# Altium PCB gd.PcbDoc (continued)
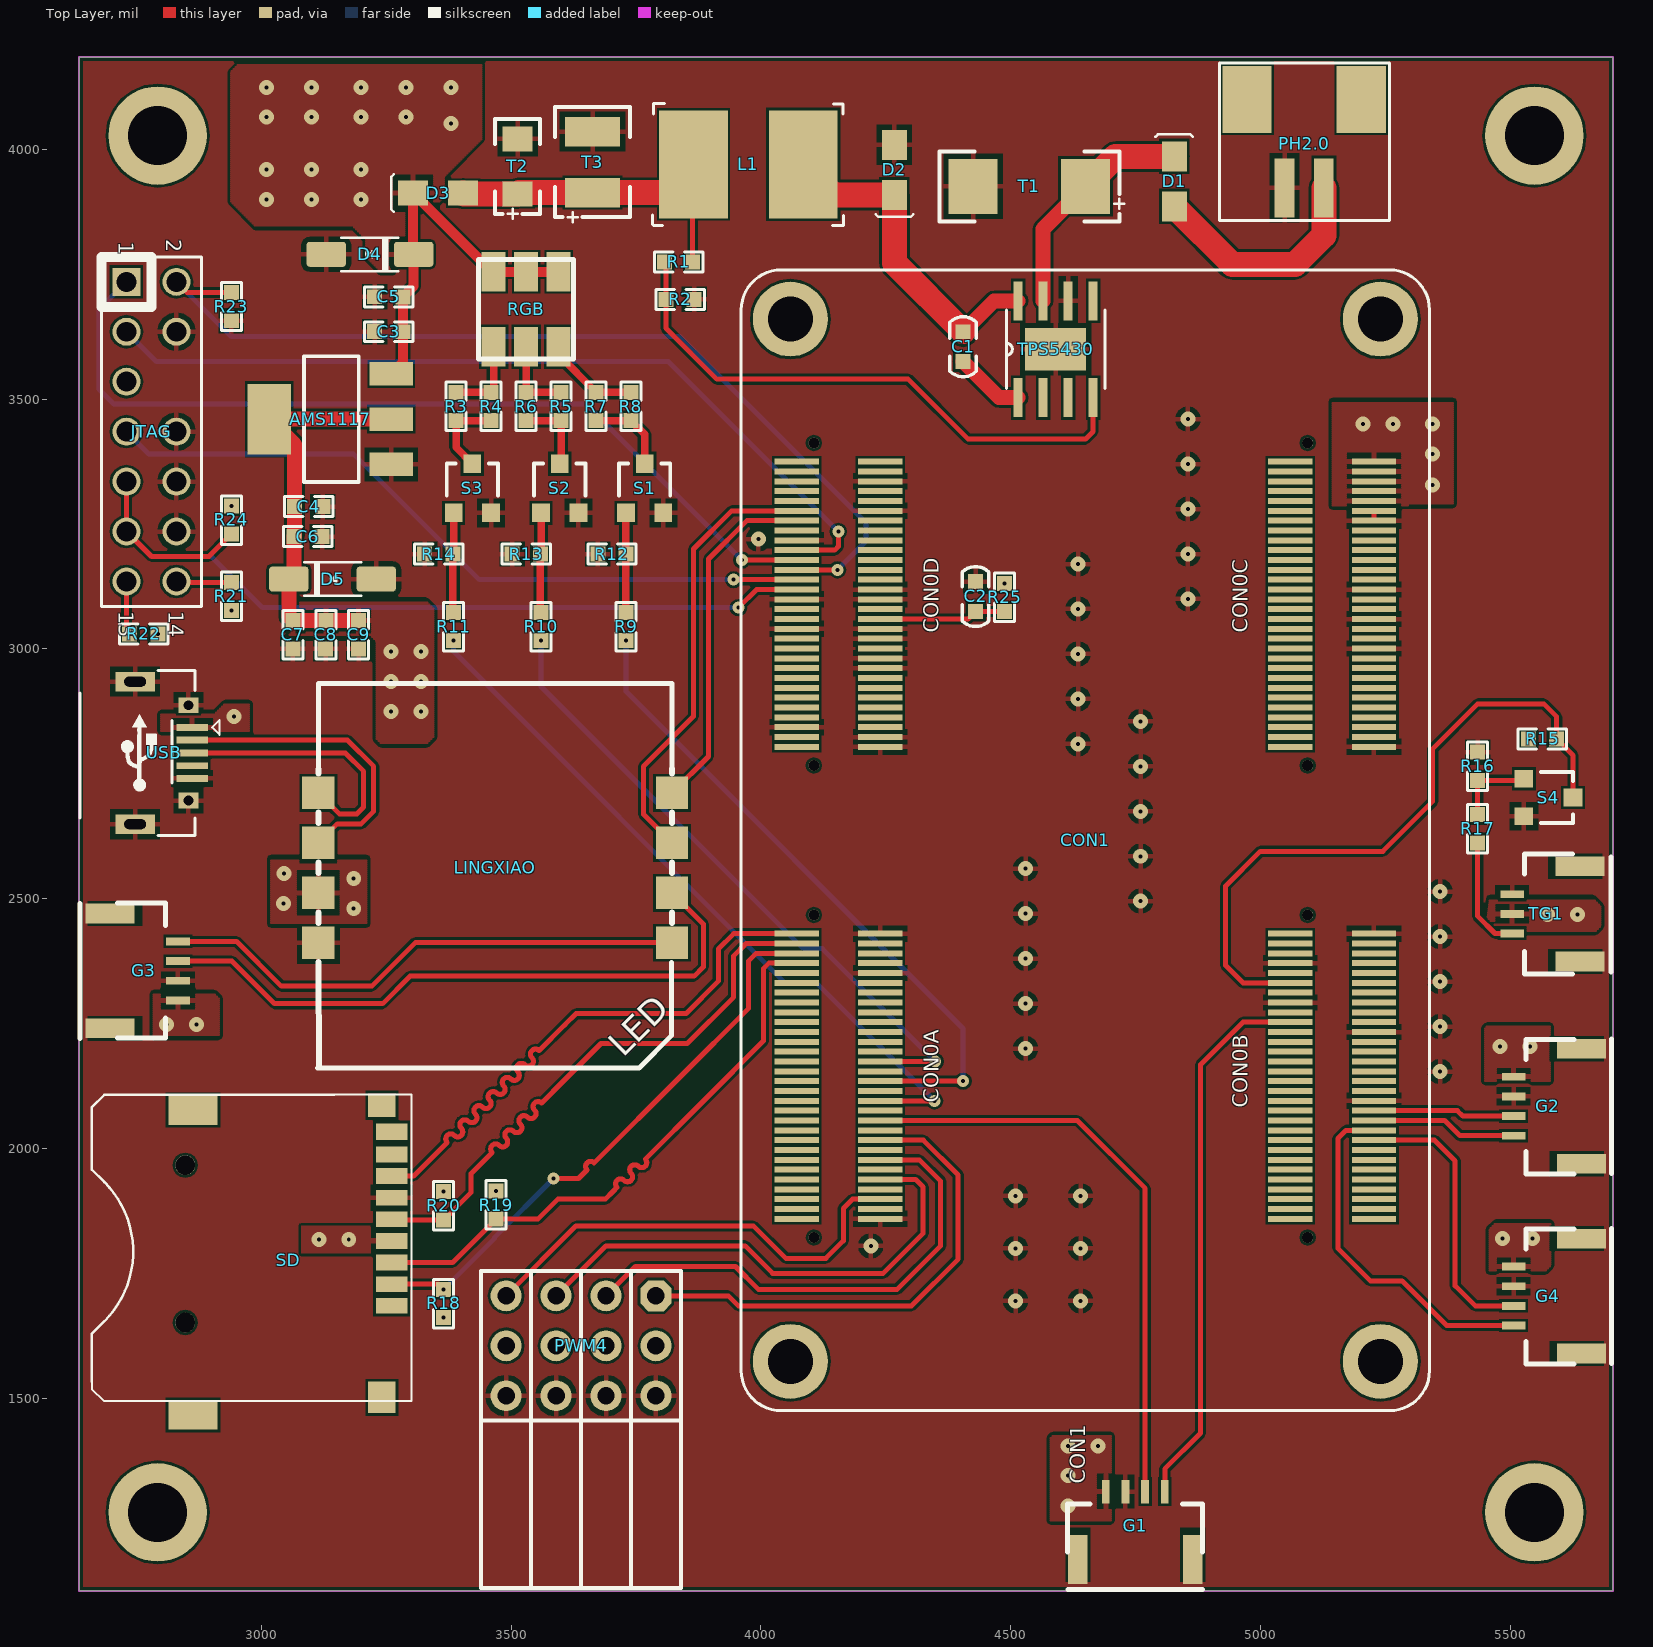
[diagram p0: Top Layer view]
## Footprints (in the part's own frame and the unit in brackets; to place one, negate y for a bottom-side part, rotate by r counter-clockwise, add the part's x,y. Pads: shape width x height; smd on the part's side, far side on the other; paste and mask are expansions set on the pad)
B2B_0D50_60P_28377 [mm] "B2B_0D50_60P_28377"
  rect 0.3x2.25 smd: A1(-19.262,14.726) A2(-19.262,10.477) A3(-18.762,14.726) A4(-18.762,10.477) A5(-18.262,14.726) A6(-18.262,10.477) A7(-17.762,14.726) A8(-17.762,10.477) A9(-17.262,14.726) A10(-17.262,10.477) A11(-16.762,14.726) A12(-16.762,10.477) A13(-16.262,14.726) A14(-16.262,10.477) A15(-15.762,14.726) A16(-15.762,10.477) A17(-15.262,14.726) A18(-15.262,10.477) A19(-14.762,14.726) A20(-14.762,10.477) A21(-14.262,14.726) A22(-14.262,10.477) A23(-13.762,14.726) A24(-13.762,10.477) A25(-13.262,14.726) A26(-13.262,10.477) A27(-12.762,14.726) A28(-12.762,10.477) A29(-12.262,14.726) A30(-12.262,10.477) A31(-11.762,14.726) A32(-11.762,10.477) A33(-11.262,14.726) A34(-11.262,10.477) A35(-10.762,14.726) A36(-10.762,10.477) A37(-10.262,14.726) A38(-10.262,10.477) A39(-9.762,14.726) A40(-9.762,10.477) A41(-9.262,14.726) A42(-9.262,10.477) A43(-8.762,14.726) A44(-8.762,10.477) A45(-8.262,14.726) A46(-8.262,10.477) A47(-7.762,14.726) A48(-7.762,10.477) A49(-7.262,14.726) A50(-7.262,10.477) A51(-6.762,14.726) A52(-6.762,10.477) A53(-6.262,14.726) A54(-6.262,10.477) A55(-5.762,14.726) A56(-5.762,10.477) A57(-5.262,14.726) A58(-5.262,10.477) A59(-4.762,14.726) A60(-4.762,10.477) B1(-19.262,-10.374) B2(-19.262,-14.623) B3(-18.762,-10.374) B4(-18.762,-14.623) B5(-18.262,-10.374) B6(-18.262,-14.623) B7(-17.762,-10.374) B8(-17.762,-14.623) B9(-17.262,-10.374) B10(-17.262,-14.623) B11(-16.762,-10.374) B12(-16.762,-14.623) B13(-16.262,-10.374) B14(-16.262,-14.623) B15(-15.762,-10.374) B16(-15.762,-14.623) B17(-15.262,-10.374) B18(-15.262,-14.623) B19(-14.762,-10.374) B20(-14.762,-14.623) B21(-14.262,-10.374) B22(-14.262,-14.623) B23(-13.762,-10.374) B24(-13.762,-14.623) B25(-13.262,-10.374) B26(-13.262,-14.623) B27(-12.762,-10.374) B28(-12.762,-14.623) B29(-12.262,-10.374) B30(-12.262,-14.623) B31(-11.762,-10.374) B32(-11.762,-14.623) B33(-11.262,-10.374) B34(-11.262,-14.623) B35(-10.762,-10.374) B36(-10.762,-14.623) B37(-10.262,-10.374) B38(-10.262,-14.623) B39(-9.762,-10.374) B40(-9.762,-14.623) B41(-9.262,-10.374) B42(-9.262,-14.623) B43(-8.762,-10.374) B44(-8.762,-14.623) B45(-8.262,-10.374) B46(-8.262,-14.623) B47(-7.762,-10.374) B48(-7.762,-14.623) B49(-7.262,-10.374) B50(-7.262,-14.623) B51(-6.762,-10.374) B52(-6.762,-14.623) B53(-6.262,-10.374) B54(-6.262,-14.623) B55(-5.762,-10.374) B56(-5.762,-14.623) B57(-5.262,-10.374) B58(-5.262,-14.623) B59(-4.762,-10.374) B60(-4.762,-14.623) C1(19.238,-10.374) C2(19.238,-14.623) C3(18.738,-10.374) C4(18.738,-14.623) C5(18.238,-10.374) C6(18.238,-14.623) C7(17.738,-10.374) C8(17.738,-14.623) C9(17.238,-10.374) C10(17.238,-14.623) C11(16.738,-10.374) C12(16.738,-14.623) C13(16.238,-10.374) C14(16.238,-14.623) C15(15.738,-10.374) C16(15.738,-14.623) C17(15.238,-10.374) C18(15.238,-14.623) C19(14.738,-10.374) C20(14.738,-14.623) C21(14.238,-10.374) C22(14.238,-14.623) C23(13.738,-10.374) C24(13.738,-14.623) C25(13.238,-10.374) C26(13.238,-14.623) C27(12.738,-10.374) C28(12.738,-14.623) C29(12.238,-10.374) C30(12.238,-14.623) C31(11.738,-10.374) C32(11.738,-14.623) C33(11.238,-10.374) C34(11.238,-14.623) C35(10.738,-10.374) C36(10.738,-14.623) C37(10.238,-10.374) C38(10.238,-14.623) C39(9.738,-10.374) C40(9.738,-14.623) C41(9.238,-10.374) C42(9.238,-14.623) C43(8.738,-10.374) C44(8.738,-14.623) C45(8.238,-10.374) C46(8.238,-14.623) C47(7.738,-10.374) C48(7.738,-14.623) C49(7.238,-10.374) C50(7.238,-14.623) C51(6.738,-10.374) C52(6.738,-14.623) C53(6.238,-10.374) C54(6.238,-14.623) C55(5.738,-10.374) C56(5.738,-14.623) C57(5.238,-10.374) C58(5.238,-14.623) C59(4.738,-10.374) C60(4.738,-14.623) D1(19.238,14.726) D2(19.238,10.477) D3(18.738,14.726) D4(18.738,10.477) D5(18.238,14.726) D6(18.238,10.477) D7(17.738,14.726) D8(17.738,10.477) D9(17.238,14.726) D10(17.238,10.477) D11(16.738,14.726) D12(16.738,10.477) D13(16.238,14.726) D14(16.238,10.477) D15(15.738,14.726) D16(15.738,10.477) D17(15.238,14.726) D18(15.238,10.477) D19(14.738,14.726) D20(14.738,10.477) D21(14.238,14.726) D22(14.238,10.477) D23(13.738,14.726) D24(13.738,10.477) D25(13.238,14.726) D26(13.238,10.477) D27(12.738,14.726) D28(12.738,10.477) D29(12.238,14.726) D30(12.238,10.477) D31(11.738,14.726) D32(11.738,10.477) D33(11.238,14.726) D34(11.238,10.477) D35(10.738,14.726) D36(10.738,10.477) D37(10.238,14.726) D38(10.238,10.477) D39(9.738,14.726) D40(9.738,10.477) D41(9.238,14.726) D42(9.238,10.477) D43(8.738,14.726) D44(8.738,10.477) D45(8.238,14.726) D46(8.238,10.477) D47(7.738,14.726) D48(7.738,10.477) D49(7.238,14.726) D50(7.238,10.477) D51(6.738,14.726) D52(6.738,10.477) D53(6.238,14.726) D54(6.238,10.477) D55(5.738,14.726) D56(5.738,10.477) D57(5.238,14.726) D58(5.238,10.477) D59(4.738,14.726) D60(4.738,10.477)
  round 3.81 / inner round 1.524 / far side round 3.81 hole 2.286: ""(-26.512,-14.949) ""(-26.512,15.051) ""(26.488,-14.949) ""(26.488,15.051)
  round 0.549 / inner round 1.524 / far side round 0.549 hole 0.549: ""(-20.212,-11.249) ""(-20.212,13.851) ""(-3.812,13.851) ""(-3.812,-11.249) ""(3.788,13.851) ""(3.788,-11.249) ""(20.188,-11.249) ""(20.188,13.851)
  silkscreen extent -29.01,-17.45 28.99,17.55
B340A [mil]
  round 20 on Mech14: 0(-2,0)
  rrect25% 78.74x50 smd: A(85,0) K(-90,0)
  silkscreen extent -59,-33 55,33, body extent -79,-35 75,35, height 46
C0603 [mil]
  rect 30x30 smd: 1(-30,0) 2(30,0)
  silkscreen extent -60,-27 60,27, body extent -31,-16 32,15, height 24
CON2X7PA_2-54MM-N6 [mil] "CON2X7PA_2-54MM-N6"
  rect 56x56 hole 40: 1(-296.5,-46.5)
  round 56 hole 40: 2(-296.5,53.5) 3(-196.5,-46.5) 4(-196.5,53.5) 5(-96.5,-46.5) 7(3.5,-46.5) 8(3.5,53.5) 9(103.5,-46.5) 10(103.5,53.5) 11(203.5,-46.5) 12(203.5,53.5) 13(303.5,-46.5) 14(303.5,53.5)
  silkscreen extent -346,-97 354,104
GH3P [mm]
  rect 1x2.5 smd: 0(-2.422,-0.917) 0(2.421,-0.917)
  rect 0.4x1.2 smd: 1(1,2.54) 2(0,2.54) 3(-1,2.54)
  silkscreen extent -3.06,-2.49 3.03,1.91
GH4P [mm]
  rect 0.4x1.2 smd: 1(-1.362,-2.365) 2(-0.362,-2.365) 3(0.638,-2.365) 4(1.638,-2.365)
  rect 1x2.5 smd: 5(-2.783,1.092) 5(3.059,1.092)
  silkscreen extent -3.29,-1.73 3.59,2.62, body extent -2.85,-2.54 3.15,2.42, height 3.14
IN5819 [mil]
  rect 50x60 smd: 1(2.28,-51) 2(2.28,49)
  silkscreen extent -35,-95 40,-90
L [mil]
  rect 216.54x137.8 smd: 1(-5,105) 2(-5,-115)
  silkscreen extent -127,-195 117,187, body extent -108,-116 96,108, height 177
LINGXIAO [mil]
  rect 65x65 smd: 1(-365.87,-143.13) 2(-365.87,-43.13) 3(-365.87,56.87) 4(-365.87,156.87) 5(342.13,156.87) 6(342.13,56.87) 7(342.13,-43.13) 8(342.13,-143.13)
  silkscreen extent -367,-394 342,376
PH2.0 [mm]
  rect 2.5x3.4 smd: 0(-2.84,-1.782) 0(2.96,-1.782)
  rect 1x3 smd: 1(1.06,2.718) 2(-0.94,2.718)
  silkscreen extent -4.27,-3.63 4.36,4.37
PWM4P [mil]
  oct 62x62 hole 35: 1(150,245)
  round 62 hole 35: 2(150,145) 3(150,45) 4(50,245) 5(50,145) 6(50,45) 7(-50,245) 8(-50,145) 9(-50,45) 10(-150,245) 11(-150,145) 12(-150,45)
  silkscreen extent -200,-340 200,295, body extent -201,-4 193,296, height 336
RGB [mm]
  rect 2x1.224 smd: 1(-1.905,1.651) 2(1.905,1.651) 3(-1.905,0) 4(1.905,0) 5(-1.905,-1.651) 6(1.905,-1.651)
  silkscreen extent -2.54,-2.41 2.54,2.41
sd [mm]
  rect 1.4x1.6 smd: 0(-6.256,8.587)
  rect 1.4x1.2 smd: 0(-6.256,-6.263)
  rect 2.5x1.5 smd: 0(3.344,9.487) 0(3.344,-6.013)
  round 1 hole 1: 0(3.744,4.787) 0(3.744,-3.213)
  rect 1.6x0.8 smd: 1(-6.756,3.937) 2(-6.756,2.837) 3(-6.756,1.737) 4(-6.756,0.637) 5(-6.756,-0.463) 6(-6.756,-1.563) 7(-6.756,-2.663) 8(-6.756,-3.763)
  rect 1.6x0.85 smd: 9(-6.756,-4.913)
  silkscreen extent -7.77,-6.8 8.49,8.77, body extent -7.48,-6.31 9.13,9.69, height 1.96
SI2310 [mm]
  rect 0.9x0.95 smd: 1(-1.016,-1.209) 2(0.884,-1.209) 3(-0.066,1.291)
  silkscreen extent -1.37,-0.33 1.23,1.29, body extent -1.49,-1.35 1.41,1.45, height 1.3
SOT-223 [mm]
  rect 1.2x2.2 smd: 1(0,0) 2(2.3,0) 3(4.6,0)
  rect 3.6x2.2 smd: 4(2.3,6.2)
  silkscreen extent -0.9,1.65 5.5,4.44, body extent -0.97,-0.31 5.53,6.66
T10UF [mil]
  rect 50x60 smd: 1(54,3) 2(-56,3)
  silkscreen extent -96,-42 104,48, body extent -76,-27 74,33, height 39
T47UF [mm]
  rect 2.8x1.5 smd: 1(-0.051,-1.562) 2(-0.051,1.538)
  silkscreen extent -1.96,-3.06 1.85,2.78
T100UF [mm]
  rect 2.8x2.5 smd: 1(0.023,-2.794) 2(0.023,2.921)
  silkscreen extent -1.75,-4.76 1.8,4.64
TPS5430 [mil]
  rect 18.14x78 smd: 1(-75,-97) 2(-25,-97) 3(25,-97) 4(75,-97) 5(75,97) 6(25,97) 7(-25,97) 8(-75,97)
  rect 122x85 smd paste-60.5: 9(0,0)
  silkscreen extent -98,-78 98,78, body extent -98,-122 98,122, height 67
USB [mm]
  rect 1.6x0.35 smd: 1(-2.579,-1.22) 2(-2.579,-0.57) 3(-2.579,0.08) 4(-2.579,0.73) 5(-2.579,1.38)
  rect 1x0.8 hole 0.5: 5(-2.389,2.505) 5(-2.389,-2.345)
  rect 2x1 hole 0.5 slot 1.1 at 0 deg: 5(0.321,3.705) 5(0.321,-3.545)
  silkscreen extent -3.98,-4.11 3.12,4.27, body extent -2.57,-3.92 3.03,4.08, height 2.8
X0603 [mil]
  rect 30x30 smd: 1(-28,0.06) 2(28.5,0)
  silkscreen extent -48,-20 49,20

## Part data
C1 C2: library part CAP, "cap"
C8 C9: library part C0.1UF
CON1: library part B2B_COMBINE_2, Color=Default, Manufacturer=连?, Power Pins Visible=False, Graphic=B2B_COMBINEA.Normal, Implementation Type=<none>, Location X-Coordinate=0, Location Y-Coordinate=0, Name=I16800166, Primitive=DEFAULT, Source Library=E:\TRONLONG\PRODUCT\TMS320F28377R\HARDWARE\A2\SOM\SCH\LIBRARY2.OLB, Source Package=B2B_COMBINE, Source Part=B2B_COMBINEA.Normal, SPLIT_INST=TRUE, SWAP_INFO=(S1+S2+S3+S4)
JTAG: library part JTAG-1
R1 R2 R3 R4 R5 R6 R7 R8 R9 R10 R11 R12 R13 R14 R15 R16 R17 R18 R19 R20 R21 R22 R23 R24 R25: library part R1K

## Free pads (board coordinates)
  round 196.85 / inner round 60 / far side round 150 hole 118.11: P7(2792.41,1271.54) P7(2792.41,4027.59) P7(5548.46,1271.54) P7(5548.46,4027.59)

## Via types
v1: diameter 30, hole 8, Top Layer to Bottom Layer, 87 vias
v2: diameter 24, hole 8, Top Layer to Bottom Layer, 13 vias

## Nets (pads, with @x,y where several pads share a name; then routed paths per layer and width w, separated by ;. In a path a pad name is that pad's centre, name@x,y a point inside that pad or via, vN(x,y) a via of type N, cw(c..) or ccw(c..) an arc to the next point about the centre after c; other vN are vias at no path point)
3.3V: AMS1117.2 AMS1117.4 C4.2 C6.2 C7.2 C8.2 C9.2 D5.K JTAG.5 R18.2 R19.2 R20.2 R21.1 R22.1 R24.1 R25.2 SD.4 | length 808.6
  Top Layer w30: C9.2 C8.2 C7.2 3055,3064.5 D5.K 3065,3150 C6.2 3066.5,3226.5 C4.2 3066.5,3409.4 AMS1117.4 AMS1117.2
  other v1: 3365,1661.5 3115,1817.5 3175,1817.5 3365,1913.5 3470,1915 3260,2875 3320,2875 3260,2935 3320,2935 3260,2995 3320,2995 2793,3029.94 2939.94,3077 4488,3131.5 2940.06,3286.5
5V: AMS1117.3 C3.2 C5.2 CON1.C2 CON1.C4 CON1.C6 CON1.C8 CON1.C10 D3.1 D4.K G1.4 G2.1 G3.1 G4.1 LINGXIAO.2 R15.2 RGB.1 RGB.3 RGB.5 TG1.2 USB.1 | length 737.5
  Top Layer w20: AMS1117.3 3283.5,3574.05 C3.2 C5.2 3305,3726.5 D4.K 3304,3791 D3.1 3461.72,3755 RGB.5 RGB.3 RGB.1
  other v1: 4615,1284 4615,1345 4615,1404 4675,1404 5485,1820 5545,1820 5480,2204 5540,2204 2810,2248 2870,2248 5575,2468 5635,2468 3185,2480 3044.56,2490 3185,2540 3045,2550 5536.5,2820 2945,2865 5345,3328 5345,3390 5205,3450 5265,3450 5345,3450 3010,3900 3100,3900 3200,3900 3010,3960 3100,3960 3200,3960 3380,4052 3010,4065 3100,4065 3200,4065 3290,4065 3010,4124 3100,4124 3200,4124 3290,4124 3380,4124
CLK: CON1.A57 R20.1 SD.5 | length 1191
  Top Layer w10: SD.5 3262.23,1857 R20.1 3420,1912.06 3420,1950 3455,1985 3462.07,1992.07 cw(c3469.14,1999.14) 3462.07,2006.21 cw(c3469.14,1999.14) 3476.21,2006.21 ccw(c3483.28,2013.28) 3490.36,2006.21 ccw(c3483.28,2013.28) 3490.36,2020.36 cw(c3497.43,2027.43) 3490.36,2034.5 cw(c3497.43,2027.43) 3504.5,2034.5 ccw(c3511.57,2041.57) 3518.64,2034.5 ccw(c3511.57,2041.57) 3518.64,2048.64 cw(c3525.71,2055.71) 3518.64,2062.78 cw(c3525.71,2055.71) 3532.78,2062.78 ccw(c3539.85,2069.85) 3546.92,2062.78 ccw(c3539.85,2069.85) 3546.92,2076.92 cw(c3553.99,2083.99) 3546.92,2091.07 cw(c3553.99,2083.99) 3561.07,2091.07 3605,2135 3680,2210 3852.48,2210 3945.5,2303.02 3945.5,2385.5 3970.32,2410.32 CON1.A57
DM: LINGXIAO.3 USB.2 | length 612.2
  Top Layer w10: USB.2 3172.55,2817.45 3225,2765 3225,2675 3200,2650 3152.25,2650 LINGXIAO.3
DP: LINGXIAO.4 USB.3 | length 544
  Top Layer w10: USB.3 3168.14,2791.86 3205,2755 3205,2683.5 3191.5,2670 3156,2670 LINGXIAO.4
GND: AMS1117.1 C2.1 C3.1 C4.1 C5.1 C6.1 C7.1 C8.1 C9.1 CON1.A2 CON1.A52 CON1.A60 CON1.B26 CON1.B40 CON1.B45 CON1.B53 CON1.B60 CON1.C12 CON1.C14 CON1.C28 CON1.C34 CON1.C40 CON1.C60 CON1.D6 CON1.D12 CON1.D17 CON1.D28 CON1.D29 CON1.D30 CON1.D35 CON1.D36 CON1.D38 CON1.D42 CON1.D44 CON1.D55 CON1.D58 CON1.D60 D2.2 D4.A D5.A G1.3 G2.2 G3.2 G4.2 JTAG.4 JTAG.8 JTAG.10 JTAG.12 LINGXIAO.1 PH2.0.1 PWM4.3 PWM4.6 PWM4.9 PWM4.12 R2.2 R12.1 R13.1 R14.1 R16.2 R23.1 S1.2 S2.2 S3.2 S4.2 SD.6 T1.2 T2.2 T3.2 TG1.1 TPS5430.6 TPS5430.9 USB.5 | length 19.7
  Top Layer w10: CON1.C14 CON1.C12
  other v1: 4510,1695 4640,1695 4510,1800 4640,1800 4220,1805 4510,1905 4640,1905 5360,2154 4530,2200 5360,2244 4530,2290 5360,2334 4530,2380 5360,2424 4530,2470 4760,2495 5360,2514 4530,2560 4760,2585 4760,2675 4760,2765 4635,2810 4760,2855 4635,2900 4635,2990 4635,3080 4855,3100 4635,3170 4855,3190 3995,3220 4855,3280 4855,3370 4855,3460
NetC1_1: C1.1 TPS5430.1 | length 139.8
  Top Layer w30: C1.1 4477,3503 TPS5430.1
NetC1_2: C1.2 D2.1 L1.2 TPS5430.8 | length 674.3
  Top Layer w30: C1.2 4467,3697 TPS5430.8
  Top Layer w50: L1.2 4146,3909 D2.1 4267.28,3772.72 C1.2
NetD1_1: D1.1 T1.1 TPS5430.7 | length 466.7
  Top Layer w30: TPS5430.7 4565,3840.92 T1.1
  Top Layer w50: T1.1 4710.08,3986 D1.1
NetD1_2: D1.2 PH2.0.2 | length 466.6
  Top Layer w50: D1.2 4943.72,3770 5069.43,3770 5127,3827.57 PH2.0.2
NetD3_2: D3.2 L1.1 R1.2 T2.1 T3.1 | length 679.7
  Top Layer w10: R1.2 3863.5,3968.5 L1.1
  Top Layer w50: D3.2 3405.72,3911 T2.1 3515.5,3913.5 T3.1 3808.5,3913.5 L1.1@3863.5,3968.5
NetJTAG_13: JTAG.13 R22.2 | length 107.7
  Top Layer w10: JTAG.13 2730,3036.5 R22.2
NetJTAG_14: JTAG.14 R21.2 | length 110.6
  Top Layer w10: JTAG.14 2831.5,3133.5 R21.2
NetR1_1: R1.1 R2.1 TPS5430.4 | length 1155.5
  Top Layer w10: R1.1 3810,3772.06 R2.1 3810,3642 3912,3540 4295,3540 4415,3420 4650,3420 4665,3435 TPS5430.4
NetR3_1: R3.1 R4.1 S3.3 | length 169.6
  Top Layer w15: S3.3 3389.94,3403.29 R3.1 R4.1
NetR3_2: R3.2 R4.2 RGB.6 | length 163.6
  Top Layer w15: R3.2 R4.2 3465,3518.5 RGB.6
NetR5_1: R5.1 R6.1 S2.3 | length 157.2
  Top Layer w15: R6.1 R5.1 3599.94,3373.36 S2.3
NetR5_2: R5.2 R6.2 RGB.4 | length 161.5
  Top Layer w15: RGB.4 R6.2 R5.2
NetR7_1: R7.1 R8.1 S1.3 | length 167.6
  Top Layer w15: R7.1 R8.1 3767.4,3429.53 S1.3
NetR7_2: R7.2 R8.2 RGB.2 | length 192.6
  Top Layer w15: RGB.2 3595,3588.5 R7.2 R8.2
NetR9_1: R9.1 R12.2 S1.1 | length 199.4
  Top Layer w15: S1.1 R12.2 3730,3073.06 R9.1
NetR10_1: R10.1 R13.2 S2.1 | length 200.7
  Top Layer w15: S2.1 3560,3191.5 R13.2 3558.5,3074.56 R10.1
NetR11_1: R11.1 R14.2 S3.1 | length 200.7
  Top Layer w15: S3.1 3385,3191.5 R14.2 3383.5,3074.56 R11.1
NetR16_1: R16.1 R17.2 S4.1 | length 162.2
  Top Layer w10: R17.2 5435,2736.94 R16.1 5524.4,2737 S4.1
PWM1: CON1.A6 PWM4.10 | length 921.2
  Top Layer w10: PWM4.10 3630,1845 3985,1845 4050,1780 4130,1780 4165,1815 4165,1880 4183.5,1898.5 CON1.A6
PWM2: CON1.A10 PWM4.7 | length 1017.3
  Top Layer w10: PWM4.7 3690,1805 3968.61,1805 4023.61,1750 4245,1750 4325,1830 4325,1922.87 4310,1937.87 CON1.A10
PWM3: CON1.A14 PWM4.4 | length 1017.4
  Top Layer w10: PWM4.4 3748.61,1763.61 3949.39,1763.61 3995,1718 4273,1718 4360,1805 4360,1934.55 4317.31,1977.24 CON1.A14
PWM4: CON1.A18 PWM4.1 | length 1005.3
  Top Layer w10: PWM4.1 3935,1705 3955,1685 4301.69,1685 4395,1778.31 4395,1946.93 4325.31,2016.61 CON1.A18
PWM5: CON1.A22 G1.2 | length 1193.6
  Top Layer w10: CON1.A22 4633.57,2055.98 4769.24,1920.31 G1.2
PWM6: CON1.A26 R11.2 | length 1465.1
  Top Layer w10: CON1.A26 v2(4347.53,2095.35)
  Bottom Layer w10: v2(3385,3016.5) 3385,2995 4050,2330 4112.88,2330 v2(4347.53,2095.35)
PWM7: CON1.A30 R9.2 | length 1326.9
  Top Layer w10: CON1.A30 v2(4404.73,2134.72)
  Bottom Layer w10: v2(3730,3016.5) 3730,2915 4404.73,2240.28 v2(4404.73,2134.72)
PWM8: CON1.A34 R10.2 | length 1301.6
  Top Layer w10: CON1.A34 v2(4349.1,2174.09)
  Bottom Layer w10: v2(3560,3016.5) 3560,2925 4085,2400 4123.19,2400 v2(4349.1,2174.09)
RST: C2.2 CON1.D34 R25.1 | length 255.1
  Top Layer w10: CON1.D34 4414.92,3059.92 C2.2 R25.1
RXA: CON1.D13 LINGXIAO.5 | length 706.9
  Top Layer w10: LINGXIAO.5 3895,2784.75 3895,3180 3971.77,3256.77 CON1.D13
RXB: CON1.B41 G1.1 | length 1099.5
  Top Layer w10: G1.1 4808.61,1358.61 4880,1430 4880,2167.84 4965,2252.84 CON1.B41
RXC: CON1.B22 G2.4 | length 292.3
  Top Layer w10: CON1.B22 5369.02,2055.98 5399.5,2025.5 G2.4
RXD: CON1.B49 R15.1 S4.3 | length 1364.6
  Top Layer w10: CON1.B49 4965,2331.57 4930,2366.57 4930,2525 5000,2595 5245,2595 5345,2695 5345,2800 5435,2890 5567.44,2890 5593,2864.44 R15.1 5625.82,2787.11 S4.3
RXLING: G3.4 LINGXIAO.8 | length 1062.1
  Top Layer w10: G3.4 2950.5,2414.5 3040,2325 3221.32,2325 3308.19,2411.87 LINGXIAO.8
SBUSIN: R17.1 TG1.3 | length 230.3
  Top Layer w10: R17.1 5434.94,2465 5469.62,2430.32 TG1.3
SCL: CON1.B20 G4.4 | length 714.9
  Top Layer w10: CON1.B20 5171.3,2036.3 5155,2020 5155,1800 5220,1735 5283.39,1735 5372.89,1645.5 G4.4
SDA: CON1.B18 G4.3 | length 563.5
  Top Layer w10: CON1.B18 5348.39,2016.61 5390,1975 5390,1725 5430.13,1684.87 G4.3
SIMO: CON1.A53 R19.1 SD.3 | length 1189.7
  Top Layer w10: SD.3 3383.05,1771.61 R19.1 3553.5,1858.5 3593.5,1898.5 3688.5,1898.5 3705,1915 3712.07,1922.07 cw(c3719.14,1929.14) 3712.07,1936.21 cw(c3719.14,1929.14) 3726.21,1936.21 ccw(c3733.28,1943.28) 3740.36,1936.21 ccw(c3733.28,1943.28) 3740.36,1950.36 cw(c3747.43,1957.43) 3740.36,1964.5 cw(c3747.43,1957.43) 3754.5,1964.5 ccw(c3761.57,1971.57) 3768.64,1964.5 ccw(c3761.57,1971.57) 3768.64,1978.64 3885,2095 4005,2215 4005,2360 4015.95,2370.95 CON1.A53
SOMI: CON1.A59 SD.7 | length 1198
  Top Layer w10: SD.7 3304.84,1944.84 3365,2005 3372.07,2012.07 cw(c3379.14,2019.14) 3372.07,2026.21 cw(c3379.14,2019.14) 3386.21,2026.21 ccw(c3393.28,2033.28) 3400.36,2026.21 ccw(c3393.28,2033.28) 3400.36,2040.36 cw(c3407.43,2047.43) 3400.36,2054.5 cw(c3407.43,2047.43) 3414.5,2054.5 ccw(c3421.57,2061.57) 3428.64,2054.5 ccw(c3421.57,2061.57) 3428.64,2068.64 cw(c3435.71,2075.71) 3428.64,2082.78 cw(c3435.71,2075.71) 3442.78,2082.78 ccw(c3449.85,2089.85) 3456.92,2082.78 ccw(c3449.85,2089.85) 3456.92,2096.92 cw(c3463.99,2103.99) 3456.92,2111.07 cw(c3463.99,2103.99) 3471.07,2111.07 ccw(c3478.14,2118.14) 3485.21,2111.07 ccw(c3478.14,2118.14) 3485.21,2125.21 cw(c3492.28,2132.28) 3485.21,2139.35 cw(c3492.28,2132.28) 3499.35,2139.35 ccw(c3506.42,2146.42) 3513.49,2139.35 ccw(c3506.42,2146.42) 3513.49,2153.49 cw(c3520.56,2160.56) 3513.49,2167.63 cw(c3520.56,2160.56) 3527.63,2167.63 ccw(c3534.71,2174.71) 3541.78,2167.63 ccw(c3534.71,2174.71) 3541.78,2181.78 cw(c3548.85,2188.85) 3541.78,2195.92 cw(c3548.85,2188.85) 3555.92,2195.92 3607.5,2247.5 3630,2270 3850,2270 3915,2335 3915,2399.5 3945.5,2430 CON1.A59
STE: CON1.A55 R18.1 SD.2 | length 1162
  Top Layer w10: SD.2 3354.76,1728.31 v2(3365.06,1718) ; v2(3585,1940) 3635,1940 3645,1950 3652.07,1957.07 cw(c3659.14,1964.14) 3652.07,1971.21 cw(c3659.14,1964.14) 3666.21,1971.21 3840,2145 3975,2280 3975,2375.13 3990.5,2390.63 CON1.A55
  Bottom Layer w10: v2(3365.06,1718) 3467.06,1820 3467.06,1822.06 v2(3585,1940)
TCK: CON1.D27 JTAG.9 JTAG.11 R24.2 | length 1769.4
  Top Layer w10: JTAG.9 JTAG.11 2780,3185 2895,3185 R24.2 ; v2(3955,3082.52) 3991.46,3118.98 CON1.D27
  Bottom Layer w10: JTAG.11 2780,3185 2900,3185 3002.48,3082.52 v2(3955,3082.52)
TDI: CON1.D19 JTAG.3 | length 1706.9
  Top Layer w10: CON1.D19 4147.72,3197.72 4155,3205 v2(4155,3235)
  Bottom Layer w10: JTAG.3 2790,3575 3815,3575 v2(4155,3235)
TDO: CON1.D25 JTAG.7 | length 1464.6
  Top Layer w10: v2(3945.5,3138.66) CON1.D25
  Bottom Layer w10: JTAG.7 2775,3390 3185,3390 3436.34,3138.66 v2(3945.5,3138.66)
TMS: CON1.D21 JTAG.1 | length 1776.2
  Top Layer w10: v2(3961.97,3178.03) CON1.D21
  Bottom Layer w10: JTAG.1 2675,3680 2675,3520 2705,3490 3650,3490 v2(3961.97,3178.03)
TRT: CON1.D23 JTAG.2 R23.2 | length 1898.3
  Top Layer w10: JTAG.2 2851.5,3713.5 R23.2 ; CON1.D23 v2(4153.35,3158.35)
  Bottom Layer w10: JTAG.2 2940,3625 3838.19,3625 4210,3253.19 4210,3215 v2(4153.35,3158.35)
TXA: CON1.D11 LINGXIAO.6 | length 891.7
  Top Layer w10: LINGXIAO.6 3765,2669 3765,2765 3865,2865 3865,3200 3941.46,3276.46 CON1.D11
TXC: CON1.B24 G2.3 | length 284.1
  Top Layer w10: CON1.B24 5394.33,2075.67 5405.13,2064.87 G2.3
TXLING: G3.3 LINGXIAO.7 | length 1292
  Top Layer w10: G3.3 2941.13,2375.13 3026.26,2290 3242.8,2290 3297.8,2345 3866.5,2345 3885,2363.5 3885,2449 LINGXIAO.7
pads on no net: CON1. CON1.A1 CON1.A3 CON1.A4 CON1.A5 CON1.A7 CON1.A8 CON1.A9 CON1.A11 CON1.A12 CON1.A13 CON1.A15 CON1.A16 CON1.A17 CON1.A19 CON1.A20 CON1.A21 CON1.A23 CON1.A24 CON1.A25 CON1.A27 CON1.A28 CON1.A29 CON1.A31 CON1.A32 CON1.A33 CON1.A35 CON1.A36 CON1.A37 CON1.A38 CON1.A39 CON1.A40 CON1.A41 CON1.A42 CON1.A43 CON1.A44 CON1.A45 CON1.A46 CON1.A47 CON1.A48 CON1.A49 CON1.A50 CON1.A51 CON1.A54 CON1.A56 CON1.A58 CON1.B1 CON1.B2 CON1.B3 CON1.B4 CON1.B5 CON1.B6 CON1.B7 CON1.B8 CON1.B9 CON1.B10 CON1.B11 CON1.B12 CON1.B13 CON1.B14 CON1.B15 CON1.B16 CON1.B17 CON1.B19 CON1.B21 CON1.B23 CON1.B25 CON1.B27 CON1.B28 CON1.B29 CON1.B30 CON1.B31 CON1.B32 CON1.B33 CON1.B34 CON1.B35 CON1.B36 CON1.B37 CON1.B38 CON1.B39 CON1.B42 CON1.B43 CON1.B44 CON1.B46 CON1.B47 CON1.B48 CON1.B50 CON1.B51 CON1.B52 CON1.B54 CON1.B55 CON1.B56 CON1.B57 CON1.B58 CON1.B59 CON1.C1 CON1.C3 CON1.C5 CON1.C7 CON1.C9 CON1.C11 CON1.C13 CON1.C15 CON1.C16 CON1.C17 CON1.C18 CON1.C19 CON1.C20 CON1.C21 CON1.C22 CON1.C23 CON1.C24 CON1.C25 CON1.C26 CON1.C27 CON1.C29 CON1.C30 CON1.C31 CON1.C32 CON1.C33 CON1.C35 CON1.C36 CON1.C37 CON1.C38 CON1.C39 CON1.C41 CON1.C42 CON1.C43 CON1.C44 CON1.C45 CON1.C46 CON1.C47 CON1.C48 CON1.C49 CON1.C50 CON1.C51 CON1.C52 CON1.C53 CON1.C54 CON1.C55 CON1.C56 CON1.C57 CON1.C58 CON1.C59 CON1.D1 CON1.D2 CON1.D3 CON1.D4 CON1.D5 CON1.D7 CON1.D8 CON1.D9 CON1.D10 CON1.D14 CON1.D15 CON1.D16 CON1.D18 CON1.D20 CON1.D22 CON1.D24 CON1.D26 CON1.D31 CON1.D32 CON1.D33 CON1.D37 CON1.D39 CON1.D40 CON1.D41 CON1.D43 CON1.D45 CON1.D46 CON1.D47 CON1.D48 CON1.D49 CON1.D50 CON1.D51 CON1.D52 CON1.D53 CON1.D54 CON1.D56 CON1.D57 CON1.D59 D4.0 D5.0 G1.5 G2.5 G3.5 G4.5 PH2.0.0 PWM4.2 PWM4.5 PWM4.8 PWM4.11 SD.0 SD.1 SD.8 SD.9 TG1.0 TPS5430.2 TPS5430.3 TPS5430.5 USB.4

## Polygon pours and split planes (outlines as drawn)
GND on Top Layer "GND_L01_P040" (solid, remove dead copper, pour order 40): 2215,4435 2445,4665 6080,4665 6080,880 6305,655 6210,560 1930,560
5V on Top Layer "5V_L01_P020" (hatched Horizontal grid 4 track 5, remove dead copper, pour order 20): 5227.27,3286.5 5145,3286.5 5145,3495 5385,3495 5385,3290
5V on Top Layer "5V_L01_P016" (hatched Horizontal grid 4 track 5, remove dead copper, pour order 16): 3020,2580 3210,2580 3210,2450 3020,2450
3.3V on Top Layer "3.3V_L01_P034" (solid, remove dead copper, pour order 34): 3297.8,1790 3297.8,1837.2 3290,1845 3080,1845 3080,1790
5V on Top Layer "5V_L01_P030" (hatched Horizontal grid 4 track 5, remove dead copper, pour order 30): 5450,2135 5579,2135 5579,2245 5454.55,2245 5450,2240.45
5V on Top Layer "5V_L01_P028" (hatched Horizontal grid 4 track 5, remove dead copper, pour order 28): 5570,1755 5580,1765 5580,1850 5471.61,1850 5459,1837.39 5459,1755
5V on Top Layer "5V_L01_P024" (hatched Horizontal grid 4 track 5, remove dead copper, pour order 24): 4700,1255 4700,1425 4585,1425 4580,1420 4580,1255
5V on Top Layer "5V_L01_P022" (hatched Horizontal grid 4 track 5, remove dead copper, pour order 22): 5460,2500 5665,2500 5680,2485 5680,2445 5670,2435 5480,2435 5455,2460
5V on Top Layer "5V_L01_P018" (hatched Horizontal grid 4 track 5, remove dead copper, pour order 18): 2785,2310 2905,2310 2915,2300 2915,2226 2914,2225 2785,2225
5V on Top Layer "5V_L01_P014" (hatched Horizontal grid 4 track 5, remove dead copper, pour order 14): 2800,2835 2800,2870 2908,2870 2928,2890 2975,2890 2975,2835
5V on Top Layer "5V_L01_P012" (hatched Horizontal grid 4 track 5, remove dead copper, pour order 12): 2830,2840
3.3V on Top Layer "3.3V_L01_P010" (hatched Horizontal grid 4 track 5, remove dead copper, pour order 10): 3055,3095 3329,3095 3344,3080 3344,2824 3330,2810 3241,2810 3231,2820 3231,3015.32 3221.32,3025 3060,3025 3045,3040 3045,3070
5V on Top Layer "5V_L01_P006" (hatched Horizontal grid 4 track 5, remove dead copper, pour order 6): 3305,3790 3304,3791 3304,3890 3350,3890 3365.06,3905.06 3365.06,3945.06 3440,4020 3440,4170 2955.06,4170 2940.06,4155 2940.06,3894.94 2990,3845 3185,3845 3210,3820 3210,3785 3240,3755 3295,3755 3305,3765
GND on Bottom Layer "GND_L04_P038" (solid, remove dead copper, pour order 38): 2635,4185 2635,1114.13 5705.87,1114.13 5705.87,4185
GND on GND (split plane): 5685.77,1134.23 2655.1,1134.23 2655.1,4164.9 5685.77,4164.9
3.3V on VCC (split plane): 3062.45,3423.94 3062.45,3260 3062.64,3259.02 3063.2,3258.2 3188.2,3133.2 3189.02,3132.64 3190,3132.45 4430,3132.45 4430.98,3132.64 4431.8,3133.2 4476.06,3177.45 4527.61,3177.45 4557.45,3147.61 4557.45,3101.06 4513.94,3057.55 3475,3057.55 3474.02,3057.36 3473.2,3056.8 3448.2,3031.8 3447.64,3030.98 3447.45,3030 3447.45,2050 3447.64,2049.02 3448.2,2048.2 3522.45,1973.94 3522.45,1856.06 3408.2,1741.8 3407.64,1740.98 3407.45,1740 3407.45,1626.06 3388.94,1607.55 3161.06,1607.55 3047.11,1721.49 3047.11,1878.51 3381.8,2213.2 3382.36,2214.02 3382.55,2215 3382.55,2555 3382.36,2555.98 3381.8,2556.8 2961.8,2976.8 2960.98,2977.36 2960,2977.55 2655.1,2977.55 2655.1,3602.45 2883.94,3602.45
5V on VCC (split plane): 5685.77,1134.23 2655.1,1134.23 2655.1,2972.45 2958.94,2972.45 3377.45,2553.94 3377.45,2216.06 3042.76,1881.37 3042.21,1880.54 3042.01,1879.56 3042.01,1720.44 3042.21,1719.46 3042.76,1718.63 3158.2,1603.2 3159.02,1602.64 3160,1602.45 3390,1602.45 3390.98,1602.64 3391.8,1603.2 3411.8,1623.2 3412.36,1624.02 3412.55,1625 3412.55,1738.94 3526.8,1853.2 3527.36,1854.02 3527.55,1855 3527.55,1975 3527.36,1975.98 3526.8,1976.8 3452.55,2051.06 3452.55,3028.94 3476.06,3052.45 4515,3052.45 4515.98,3052.64 4516.8,3053.2 4561.8,3098.2 4562.35,3099.02 4562.55,3100 4562.55,3148.66 4562.35,3149.64 4561.8,3150.46 4530.46,3181.8 4529.64,3182.36 4528.66,3182.55 4475,3182.55 4474.02,3182.36 4473.2,3181.8 4428.94,3137.55 3191.06,3137.55 3067.55,3261.06 3067.55,3425 3067.36,3425.98 3066.8,3426.8 2886.8,3606.8 2885.98,3607.36 2885,3607.55 2655.1,3607.55 2655.1,4164.9 5685.77,4164.9

## Keep-outs
Keep-Out Layer:
  the board outline again, w5

## Other copper
VCC (plane layer: these items are gaps in the copper):
  lines w5: 2635,2975 2635,3605 2885,3605 3065,3425 3065,3260 3190,3135 4430,3135 4475,3180 4528.66,3180 4560,3148.66 4560,3100 4515,3055 3475,3055 3450,3030 3450,2050 3525,1975 3525,1855 3410,1740 3410,1625 3390,1605 3160,1605 3044.56,1720.44 3044.56,1879.56 3380,2215 3380,2555 2960,2975 2635,2975

## Silkscreen, mask and mechanical layers (free items; w line width, h text height)
Bottom Overlay:
  text "Author:LiangShuo" at 5170,3200 h140
  text "Time:2021/12/31" at 5170,3055 h140
  text "GraduationDesign" at 5170,2860 h140

## Text inside footprints (layer, text, board x,y; h text height)
CON1: Top Overlay "CON0B" at 4974.44,2082.01 h30 r90; Top Overlay "CON0A" at 4355.74,2092.01 h30 r90; Top Overlay "CON0C" at 4974.44,3032.01 h30 r90; Top Overlay "CON0D" at 4355.74,3032.01 h30 r90; Mechanical 8 "A27" at 4095.02,2083.98 h20 r270; Mechanical 8 "A29" at 4062.15,2088.57 h20 r270; Mechanical 8 "A31" at 4098.89,2125.3 h20 r270; Mechanical 8 "A33" at 4048.13,2132.56 h20 r270; Mechanical 8 "A35" at 4049.83,2168.58 h20 r270; Mechanical 8 "A37" at 4090.91,2190.09 h20 r270; Mechanical 8 "A39" at 4048.85,2209.67 h20 r270; Mechanical 8 "A41" at 4092.13,2227.08 h20 r270; Mechanical 8 "A23" at 4087.05,2036.36 h20 r270; Mechanical 8 "A21" at 4044.26,2023.3 h20 r270; Mechanical 8 "A19" at 4089.94,2000.1 h20 r270; Mechanical 8 "A17" at 4060.22,1974.48 h20 r270; Mechanical 8 "A15" at 4082.69,1952.48 h20 r270; Mechanical 8 "A13" at 4064.8,1925.89 h20 r270; Mechanical 8 "A11" at 4086.32,1923.72 h20 r270; Mechanical 8 "A9" at 4085.84,1914.56 h20 r270; Mechanical 8 "A7" at 4082.45,1896.18 h20 r270; Mechanical 8 "A5" at 4080.76,1880.96 h20 r270; Mechanical 8 "A3" at 4079.79,1859.92 h20 r270; Mechanical 8 "A49" at 4090.19,2314.33 h20 r270; Mechanical 8 "A51" at 4048.85,2323.76 h20 r270; Mechanical 8 "A47" at 4049.59,2280.97 h20 r270; Mechanical 8 "A45" at 4092.61,2264.78 h20 r270; Mechanical 8 "A43" at 4044.26,2246.65 h20 r270; Mechanical 8 "B21" at 5088,2032.24 h20 r270; Mechanical 8 "B23" at 5032.65,2042.89 h20 r270; Mechanical 8 "B25" at 5064.31,2048.68 h20 r270; Mechanical 8 "B1" at 5106.16,1833.34 h20 r90; Mechanical 8 "B3" at 5060.24,1842.52 h20 r90; Mechanical 8 "B5" at 5094.56,1860.89 h20 r90; Mechanical 8 "B7" at 5063.86,1877.58 h20 r90; Mechanical 8 "B9" at 5096.25,1902.47 h20 r90; Mechanical 8 "B11" at 5049.08,1909.46 h20 r270; Mechanical 8 "B13" at 5081.96,1933.87 h20 r270; Mechanical 8 "B15" at 5038.69,1962.15 h20 r270; Mechanical 8 "B27" at 5044,2081.55 h20 r270; Mechanical 8 "B29" at 5080.02,2105.49 h20 r270; Mechanical 8 "B31" at 5042.56,2105.49 h20 r270; Mechanical 8 "B33" at 5080.74,2128.69 h20 r270; Mechanical 8 "B35" at 5046.19,2162.05 h20 r270; Mechanical 8 "B37" at 5089.2,2185.5 h20 r270; Mechanical 8 "B39" at 5035.06,2192.5 h20 r270; Mechanical 8 "B47" at 5083.89,2279.29 h20 r270; Mechanical 8 "B49" at 5035.06,2304.42 h20 r270; Mechanical 8 "B51" at 5078.81,2310.22 h20 r270; Mechanical 8 "B17" at 5077.84,1970.12 h20 r270; Mechanical 8 "B19" at 5034.34,2005.65 h20 r270; Mechanical 8 "C58" at 5232.47,2815.89 h20 r270; Mechanical 8 "D14" at 4227.65,3249.78 h20 r270; Mechanical 8 "D18" at 4228.86,3210.62 h20 r270; Mechanical 8 "D20" at 4235.87,3190.08 h20 r270; Mechanical 8 "D59" at 4060.46,2772.38 h20 r270; Mechanical 8 "D37" at 4033.15,2997.91 h20 r270; Mechanical 8 "D47" at 4065.53,2899.53 h20 r270; Mechanical 8 "D49" at 4094.78,2874.39 h20 r270; Mechanical 8 "D51" at 4039.67,2856.5 h20 r270; Mechanical 8 "D43" at 4094.3,2933.37 h20 r270; Mechanical 8 "D39" at 4095.99,2973.5 h20 r270; Mechanical 8 "D41" at 4037.01,2953.44 h20 r270; Mechanical 8 "D45" at 4033.15,2917.91 h20 r270; Mechanical 8 "D53" at 4073.02,2838.13 h20 r270; Mechanical 8 "D26" at 4229.82,3131.1 h20 r270; Mechanical 8 "D46" at 4235.63,2936.52 h20 r270; Mechanical 8 "D48" at 4235.13,2916.69 h20 r270; Mechanical 8 "D50" at 4234.65,2895.91 h20 r270; Mechanical 8 "D52" at 4235.39,2876.09 h20 r270; Mechanical 8 "D54" at 4233.69,2859.89 h20 r270; Mechanical 8 "D56" at 4235.87,2837.41 h20 r270; Mechanical 8 "D57" at 4098.16,2799.45 h20 r270; Mechanical 8 "B8" at 5200.08,1903.92 h20 r270; Mechanical 8 "A34" at 4252.79,2139.34 h20 r270; Mechanical 8 "B12" at 5203.46,1930.24 h20 r270; Mechanical 8 "A32" at 4229.1,2111.77 h20 r270; Mechanical 8 "B14" at 5227.27,1953.24 h20 r270; Mechanical 8 "A30" at 4253.76,2091.7 h20 r270; Mechanical 8 "B18" at 5247.21,2008.08 h20 r270; Mechanical 8 "A28" at 4224.5,2070.92 h20 r270; Mechanical 8 "B20" at 5202.25,2025.96 h20 r270; Mechanical 8 "A26" at 4246.26,2049.04 h20 r270; Mechanical 8 "A24" at 4231.03,2032.86 h20 r270; Mechanical 8 "A22" at 4245.06,2012.3 h20 r270; Mechanical 8 "A20" at 4217.26,2004.58 h20 r270; Mechanical 8 "A18" at 4248.44,1982.34 h20 r270; Mechanical 8 "A16" at 4225.95,1959.73 h20 r270; Mechanical 8 "A14" at 4261.25,1953.69 h20 r270; Mechanical 8 "A12" at 4223.78,1924.93 h20 r270; Mechanical 8 "A10" at 4250.85,1906.8 h20 r270; Mechanical 8 "A8" at 4251.57,1888.7 h20 r270; Mechanical 8 "A6" at 4253.76,1860.17 h20 r270; Mechanical 8 "A4" at 4253.52,1833.82 h20 r270; Mechanical 8 "D32" at 4229.34,3068.73 h20 r270; Mechanical 8 "D34" at 4231.75,3046.26 h20 r270; Mechanical 8 "D40" at 4230.55,2995.74 h20 r270; Mechanical 8 "D23" at 4089.7,3139.55 h20 r270; Mechanical 8 "A54" at 4227.65,2339.23 h20 r270; Mechanical 8 "C6" at 5207.33,3327.15 h20 r270; Mechanical 8 "C8" at 5206.85,3304.91 h20 r270; Mechanical 8 "C10" at 5206.85,3291.12 h20 r270; Mechanical 8 "C2" at 5205.89,3360.99 h20 r270; Mechanical 8 "C4" at 5205.39,3349.88 h20 r270; Mechanical 8 "D25" at 4035.08,3120.7 h20 r270; Mechanical 8 "D21" at 4039.42,3160.1 h20 r270; Mechanical 8 "B28" at 5210.95,2122.16 h20 r270; Mechanical 8 "B32" at 5208.06,2156.49 h20 r270; Mechanical 8 "B30" at 5235.13,2139.08 h20 r270; Mechanical 8 "B34" at 5243.83,2169.05 h20 r270; Mechanical 8 "B36" at 5209.51,2186.71 h20 r270; Mechanical 8 "B38" at 5224.74,2207.73 h20 r270; Mechanical 8 "D16" at 4233.93,3231.9 h20 r270; Mechanical 8 "B2" at 5250.84,1843.97 h20 r270; Mechanical 8 "B4" at 5206.37,1863.8 h20 r270; Mechanical 8 "D27" at 4084.63,3101.61 h20 r270; Mechanical 8 "B10" at 5251.56,1909.21 h20 r270; Mechanical 8 "B16" at 5185.33,1988.73 h20 r270; Mechanical 8 "B24" at 5203.22,2068.02 h20 r270; Mechanical 8 "B22" at 5248.66,2041.44 h20 r270; Mechanical 8 "D19" at 4089.94,3183.79 h20 r270; Mechanical 8 "D24" at 4230.06,3152.37 h20 r270; Mechanical 8 "B42" at 5218.69,2246.65 h20 r270; Mechanical 8 "D22" at 4233.2,3171.22 h20 r270; Mechanical 8 "B44" at 5226.67,2266.47 h20 r270; Mechanical 8 "B46" at 5215.31,2284.36 h20 r270; Mechanical 8 "B48" at 5231.51,2311.18 h20 r270; Mechanical 8 "B50" at 5208.3,2328.84 h20 r270; Mechanical 8 "B52" at 5225.22,2348.66 h20 r270; Mechanical 8 "B54" at 5214.1,2362.68 h20 r270; Mechanical 8 "B56" at 5237.78,2399.17 h20 r270; Mechanical 8 "B58" at 5207.33,2406.43 h20 r270; Mechanical 8 "B55" at 5080.26,2347.93 h20 r270; Mechanical 8 "A53" at 4089.22,2346.97 h20 r270; Mechanical 8 "A55" at 4049.83,2363.16 h20 r270; Mechanical 8 "A57" at 4081.97,2379.12 h20 r270; Mechanical 8 "A59" at 4048.37,2402.55 h20 r270; Mechanical 8 "A56" at 4259.31,2356.15 h20 r270; Mechanical 8 "D3" at 4071.09,3360.51 h20 r270; Mechanical 8 "A25" at 4052.97,2063.43 h20 r270; Mechanical 8 "D7" at 4068.92,3311.92 h20 r270; Mechanical 8 "D11" at 4088.01,3260.66 h20 r270; Mechanical 8 "D15" at 4089.94,3225.37 h20 r270; Mechanical 8 "D1" at 4070.37,3374.76 h20 r270; Mechanical 8 "D5" at 4071.33,3330.05 h20 r270; Mechanical 8 "D9" at 4073.75,3288.72 h20 r270; Mechanical 8 "D13" at 4033.15,3233.34 h20 r270; Mechanical 8 "C20" at 5217,3191.53 h20 r270; Mechanical 8 "C22" at 5200.56,3171.7 h20 r270; Mechanical 8 "C24" at 5222.81,3150.92 h20 r270; Mechanical 8 "C26" at 5220.38,3134.48 h20 r270; Mechanical 8 "C30" at 5223.29,3094.36 h20 r270; Mechanical 8 "C32" at 5223.77,3070.67 h20 r270; Mechanical 8 "C36" at 5226.67,3033.44 h20 r270; Mechanical 8 "C38" at 5228.12,3010.23 h20 r270; Mechanical 8 "D8" at 4228.13,3311.44 h20 r270; Mechanical 8 "D10" at 4227.16,3291.84 h20 r270; Mechanical 8 "D4" at 4223.78,3346 h20 r270; Mechanical 8 "D2" at 4220.4,3362.93 h20 r270; Mechanical 8 "C15" at 5065.02,3227.06 h20 r270; Mechanical 8 "C1" at 5065.02,3368.73 h20 r270; Mechanical 8 "C35" at 5061.4,3027.65 h20 r270; Mechanical 8 "C29" at 5058.5,3092.43 h20 r270; Mechanical 8 "C49" at 5056.1,2891.79 h20 r270; Mechanical 8 "C59" at 5076.68,2797.52 h20 r90; Mechanical 8 "C42" at 5225.7,2967.69 h20 r270; Mechanical 8 "C50" at 5230.54,2894.22 h20 r270; Mechanical 8 "C56" at 5226.67,2840.55 h20 r270; Mechanical 8 "C54" at 5222.81,2853.12 h20 r270; Mechanical 8 "C16" at 5212.16,3229.23 h20 r270; Mechanical 8 "C18" at 5219.42,3209.89 h20 r270; Mechanical 8 "B41" at 5043.52,2233.59 h20 r270; Mechanical 8 "B43" at 5083.89,2233.85 h20 r270; Mechanical 8 "C3" at 5062.37,3352.06 h20 r270; Mechanical 8 "C21" at 5065.74,3167.6 h20 r270; Mechanical 8 "C45" at 5057.54,2935.78 h20 r270; Mechanical 8 "B59" at 5083.17,2399.17 h20 r270; Mechanical 8 "C23" at 5057.28,3152.61 h20 r270; Mechanical 8 "B57" at 5050.29,2386.85 h20 r270; Mechanical 8 "C55" at 5073.3,2836.2 h20 r90; Mechanical 8 "C7" at 5062.85,3308.07 h20 r270; Mechanical 8 "C53" at 5074.26,2859.41 h20 r90; Mechanical 8 "C47" at 5055.13,2911.14 h20 r270; Mechanical 8 "C39" at 5061.41,2986.06 h20 r270; Mechanical 8 "C17" at 5066.48,3213.04 h20 r270; Mechanical 8 "C11" at 5062.36,3266.71 h20 r270; Mechanical 8 "C25" at 5053.66,3133.04 h20 r270; Mechanical 8 "D33" at 4036.28,3036.83 h20 r270; Mechanical 8 "C5" at 5063.81,3330.05 h20 r270; Mechanical 8 "C14" at 5210.23,3251.47 h20 r270; Mechanical 8 "C12" at 5209.27,3269.84 h20 r270; Mechanical 8 "C28" at 5224.25,3108.86 h20 r270; Mechanical 8 "C34" at 5226.67,3051.81 h20 r270; Mechanical 8 "C40" at 5227.63,2989.45 h20 r270; Mechanical 8 "C60" at 5220.38,2794.14 h20 r270; Mechanical 8 "B40" at 5232.22,2226.35 h20 r270; Mechanical 8 "B53" at 5037.48,2345.02 h20 r270; Mechanical 8 "B45" at 5042.8,2264.06 h20 r270; Mechanical 8 "B26" at 5248.66,2088.81 h20 r270; Mechanical 8 "B60" at 5244.07,2437.13 h20 r270; Mechanical 8 "A2" at 4249.16,1810.61 h20 r270; Mechanical 8 "D12" at 4230.07,3273.47 h20 r270; Mechanical 8 "D36" at 4231.03,3031.27 h20 r270; Mechanical 8 "D38" at 4233.2,3018.21 h20 r270; Mechanical 8 "D29" at 4036.77,3076.22 h20 r270; Mechanical 8 "D30" at 4231.27,3091.46 h20 r270; Mechanical 8 "D42" at 4232.24,2973.74 h20 r270; Mechanical 8 "D58" at 4236.83,2823.63 h20 r270; Mechanical 8 "A60" at 4254.48,2395.3 h20 r270; Mechanical 8 "A52" at 4255.93,2318.2 h20 r270; Mechanical 8 "D55" at 4025.65,2819.04 h20 r270; Mechanical 8 "D60" at 4232.72,2798.97 h20 r270; Mechanical 8 "D28" at 4229.34,3113.7 h20 r270; Mechanical 8 "D44" at 4232.48,2957.06 h20 r270; Mechanical 8 "D35" at 4095.02,3016.52 h20 r270; Mechanical 8 "D17" at 4041.35,3199.75 h20 r270; Mechanical 8 "D6" at 4222.09,3327.64 h20 r270; Mechanical 8 "D31" at 4080.03,3060.51 h20 r270; Mechanical 8 "C41" at 5058.03,2974.94 h20 r270; Mechanical 8 "C43" at 5055.61,2951.74 h20 r270; Mechanical 8 "C37" at 5060.91,3013.15 h20 r270; Mechanical 8 "C19" at 5063.34,3194.19 h20 r270; Mechanical 8 "C27" at 5057.78,3109.84 h20 r270; Mechanical 8 "C33" at 5056.81,3054 h20 r270; Mechanical 8 "C57" at 5075.71,2818.8 h20 r90; Mechanical 8 "C51" at 5074.75,2868.11 h20 r90; Mechanical 8 "C9" at 5061.64,3285.82 h20 r270; Mechanical 8 "C31" at 5057.52,3068.01 h20 r270; Mechanical 8 "C13" at 5064.06,3247.62 h20 r270; Mechanical 8 "A50" at 4213.15,2299.59 h20 r270; Mechanical 8 "A48" at 4231.76,2265.99 h20 r270; Mechanical 8 "A46" at 4256.65,2262.12 h20 r270; Mechanical 8 "A44" at 4227.89,2223.2 h20 r270; Mechanical 8 "A42" at 4251.34,2208.21 h20 r270; Mechanical 8 "A40" at 4229.34,2186.46 h20 r270; Mechanical 8 "A38" at 4248.43,2168.34 h20 r270; Mechanical 8 "B6" at 5245.28,1882.65 h20 r270; Mechanical 8 "A36" at 4226.93,2146.58 h20 r270; Mechanical 8 "A58" at 4227.65,2374.76 h20 r270; Mechanical 8 "C48" at 5220.86,2909.19 h20 r270; Mechanical 8 "C52" at 5229.08,2873.91 h20 r270; Mechanical 8 "C44" at 5225.7,2954.64 h20 r270; Mechanical 8 "C46" at 5240.2,2916.93 h20 r270; Mechanical 8 "A1" at 4081.48,1841.31 h20 r270
JTAG: Top Overlay "14" at 2815,3075 h30 r270; Top Overlay "13" at 2715,3075 h30 r270; Top Overlay "2" at 2810,3820 h30 r270; Top Overlay "1" at 2715,3815 h30 r270; Mechanical 10 "4" at 2830,3645 h30 r270; Mechanical 10 "8" at 2830,3445 h30 r270; Mechanical 10 "10" at 2830,3355 h30 r270; Mechanical 10 "12" at 2830,3255 h30 r270; Mechanical 10 "5" at 2730,3545 h30 r270; Mechanical 10 "13" at 2730,3155 h30 r270; Mechanical 10 "14" at 2830,3155 h30 r270; Mechanical 10 "11" at 2730,3255 h30 r270; Mechanical 10 "9" at 2730,3345 h30 r270; Mechanical 10 "3" at 2730,3645 h30 r270; Mechanical 10 "7" at 2730,3445 h30 r270; Mechanical 10 "1" at 2730,3745 h30 r270; Mechanical 10 "2" at 2830,3745 h30 r270
LINGXIAO: Top Overlay "LED" at 3736.87,2168.87 h86.61 r45